# EAGLE board working (EAGLE 9.6.2), part 1 of 28
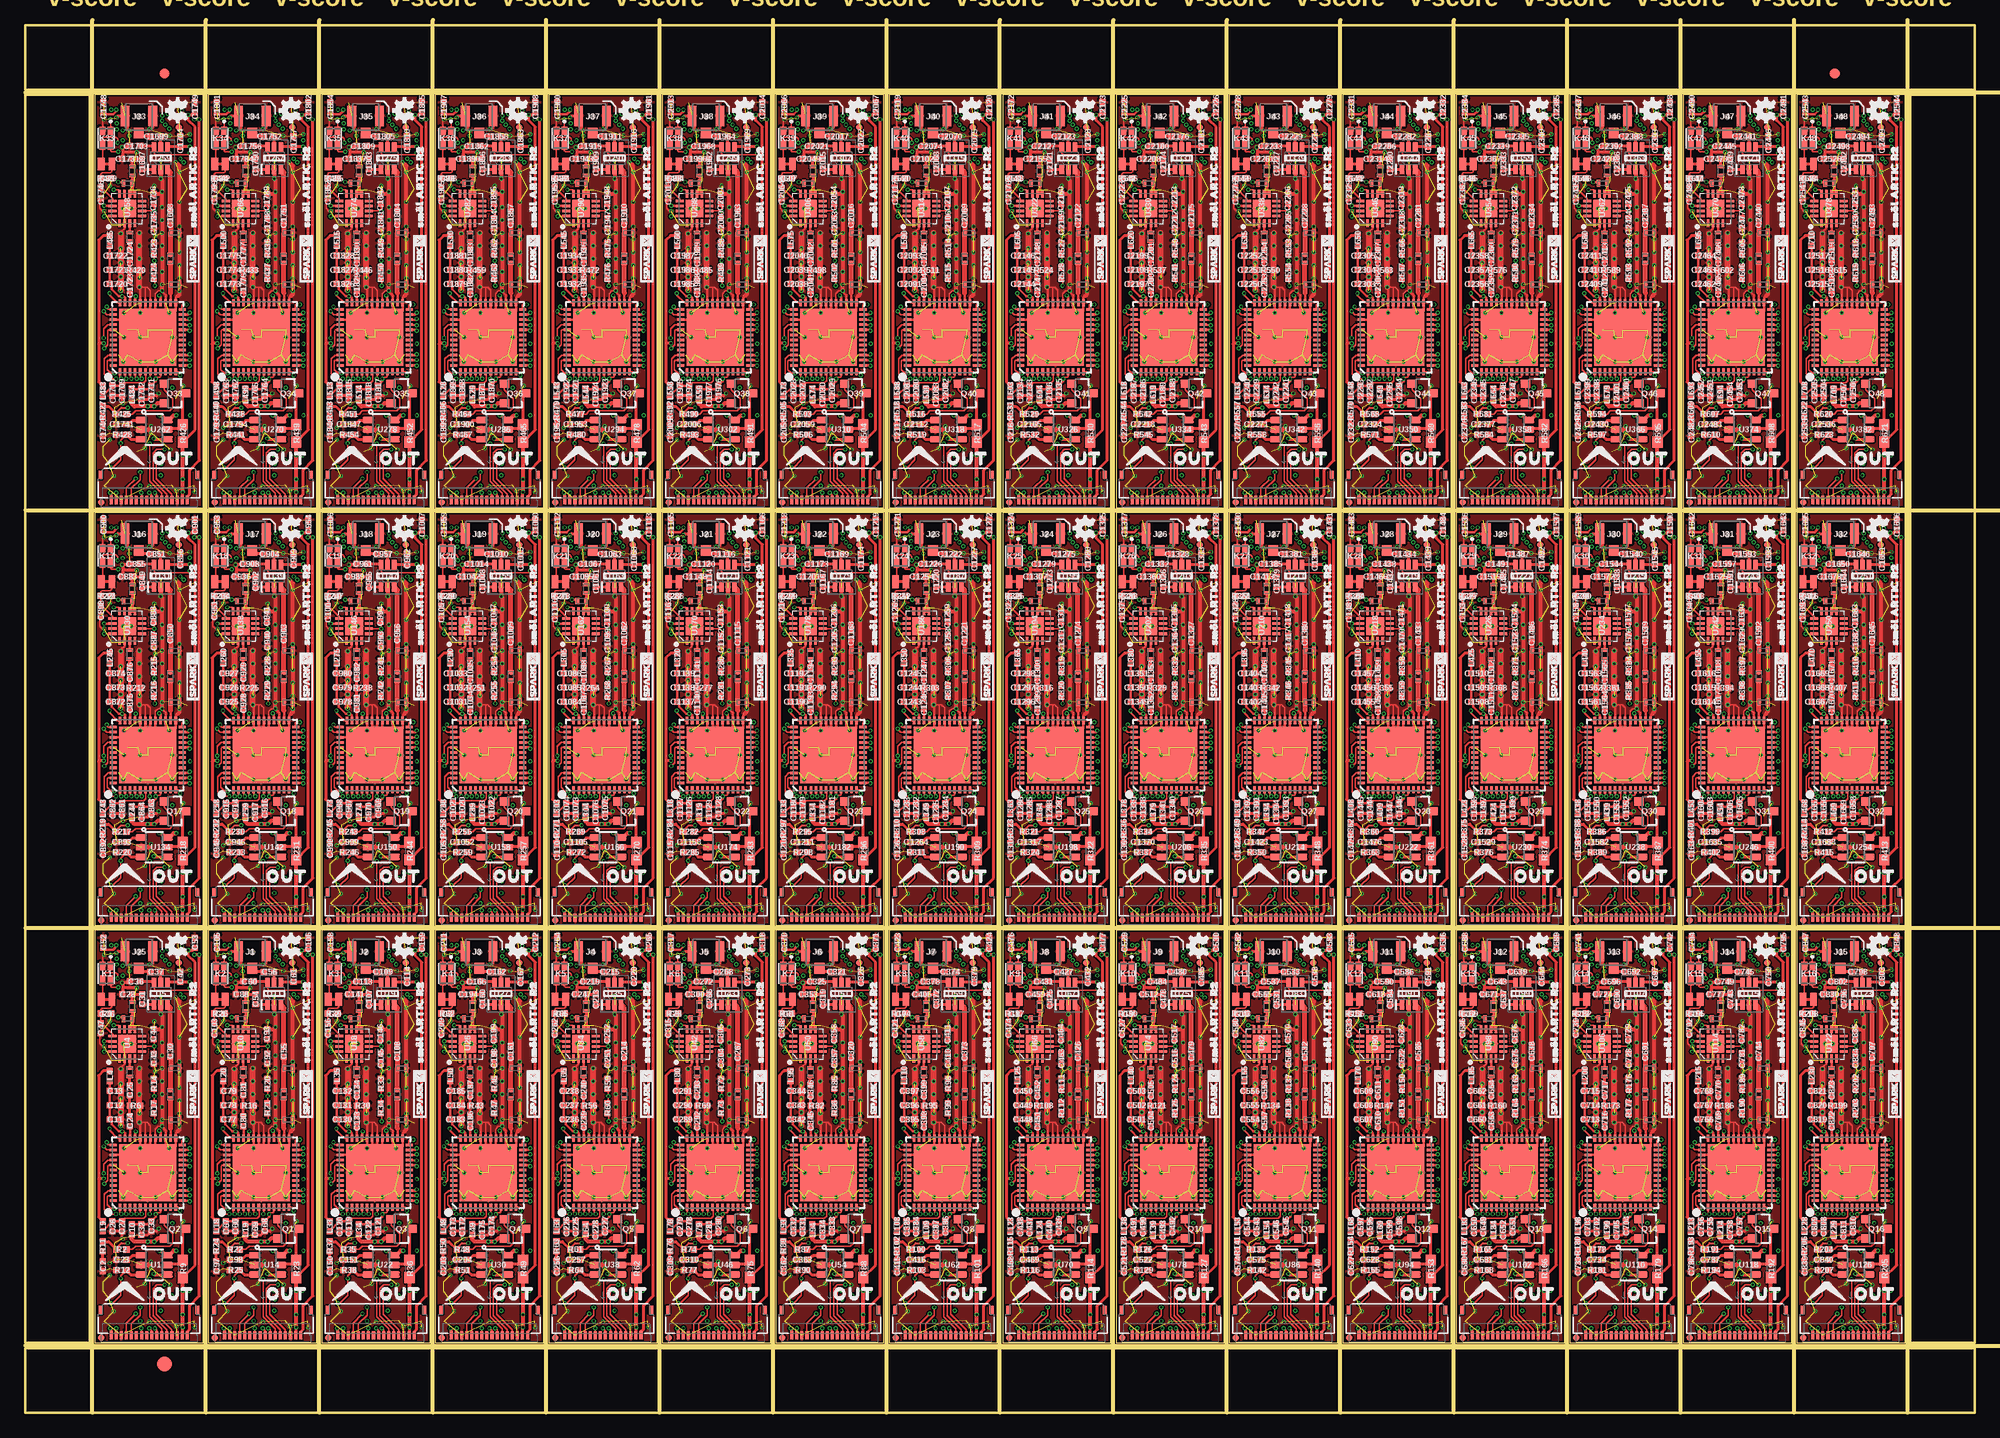
[diagram p0: board, top side]
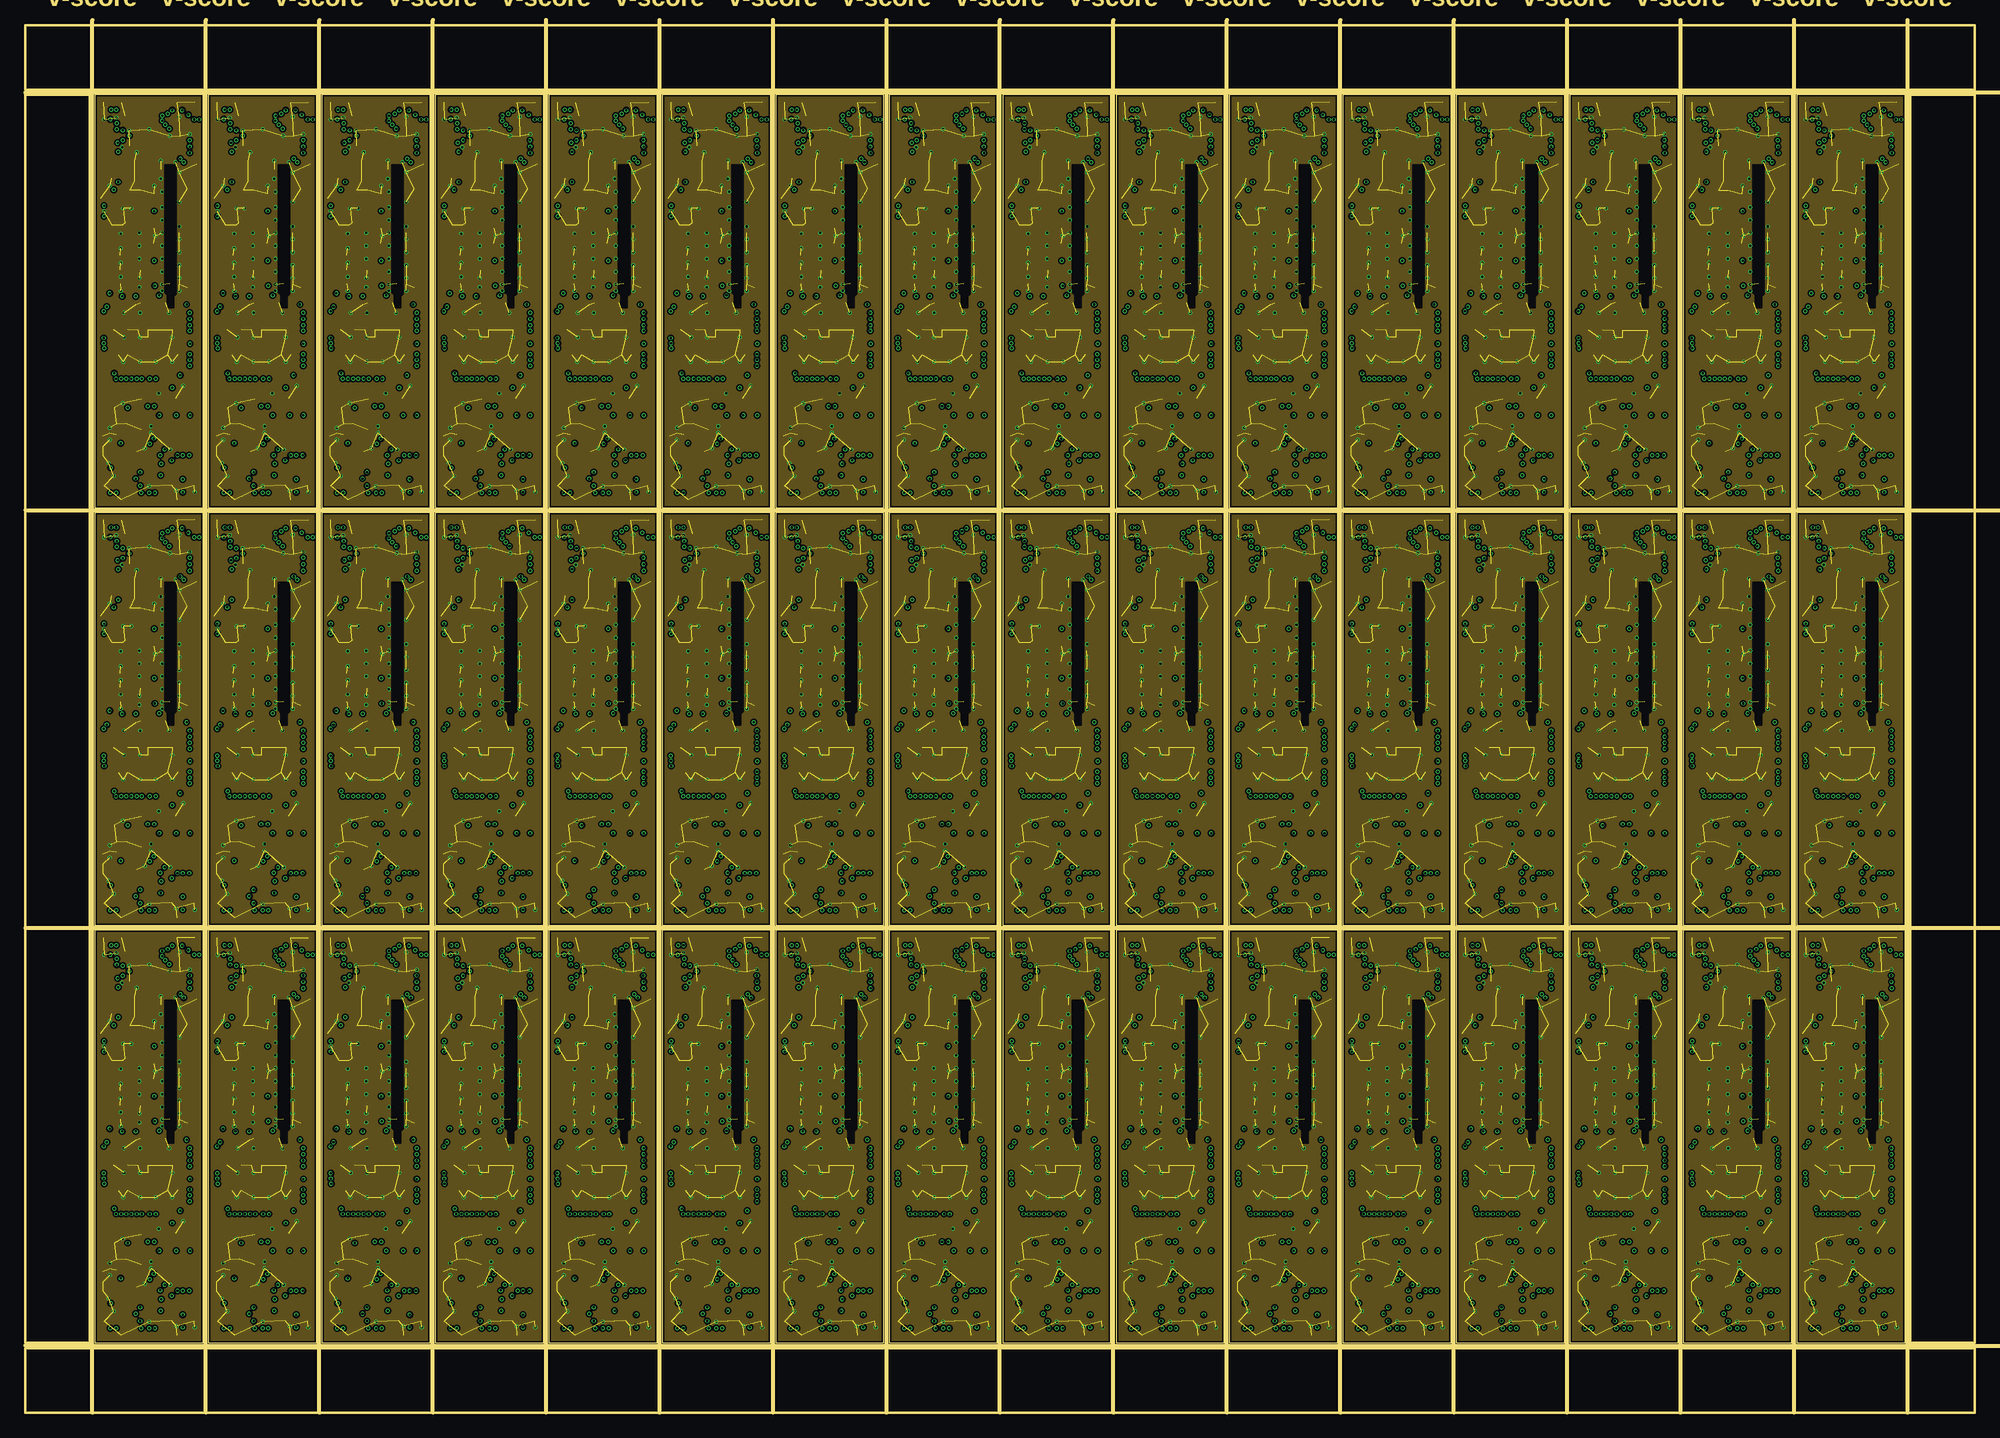
[diagram p1: board, inner layer Route2]
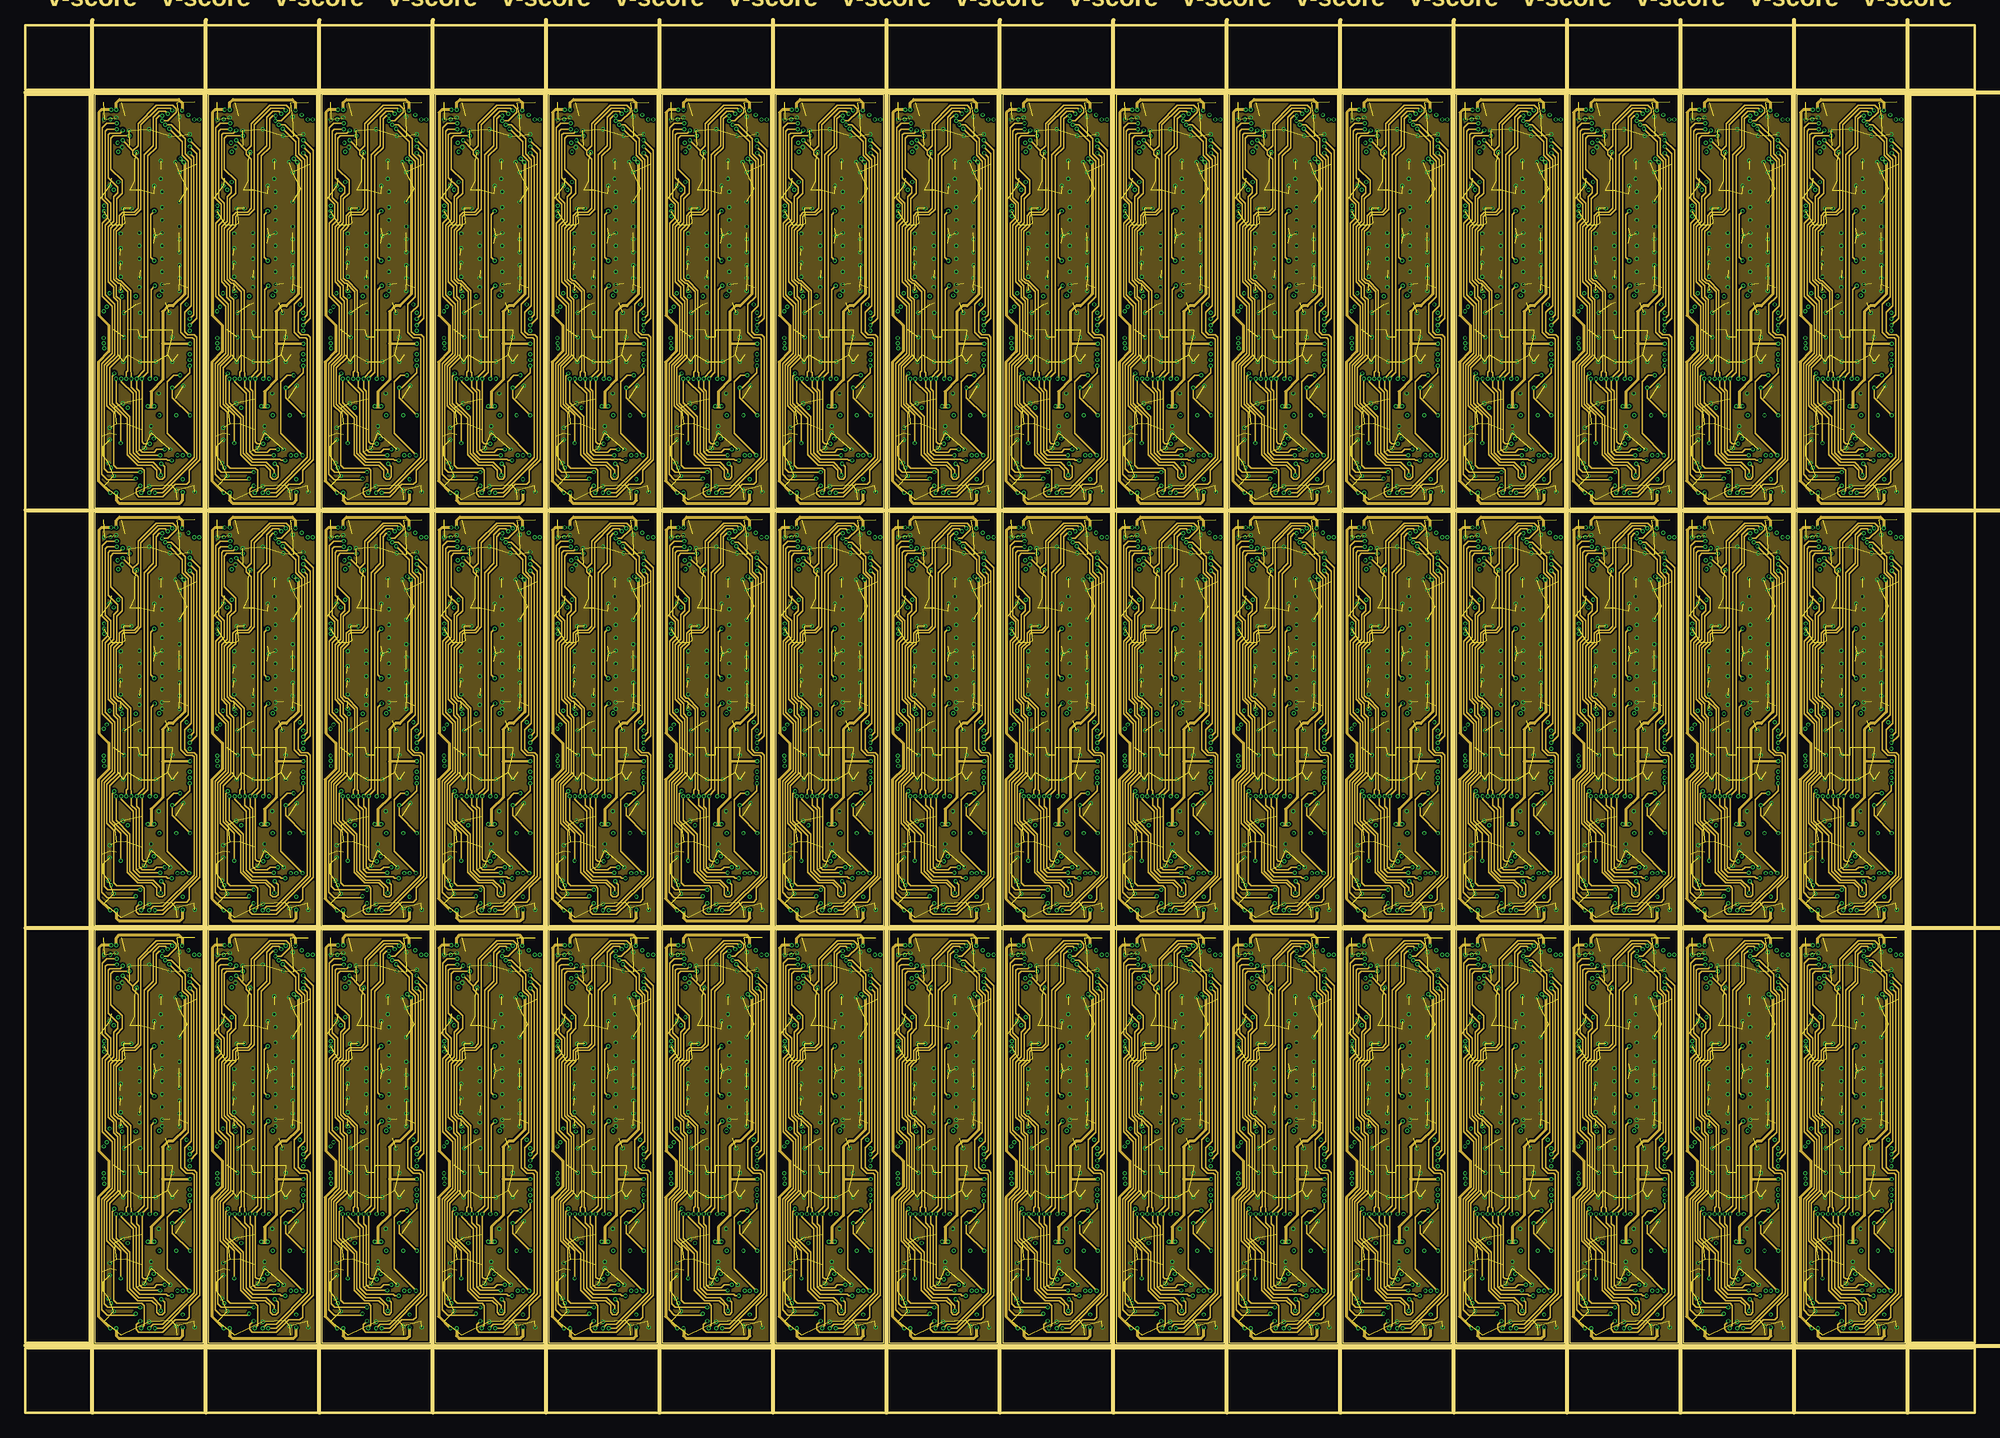
[diagram p2: board, inner layer Route15]
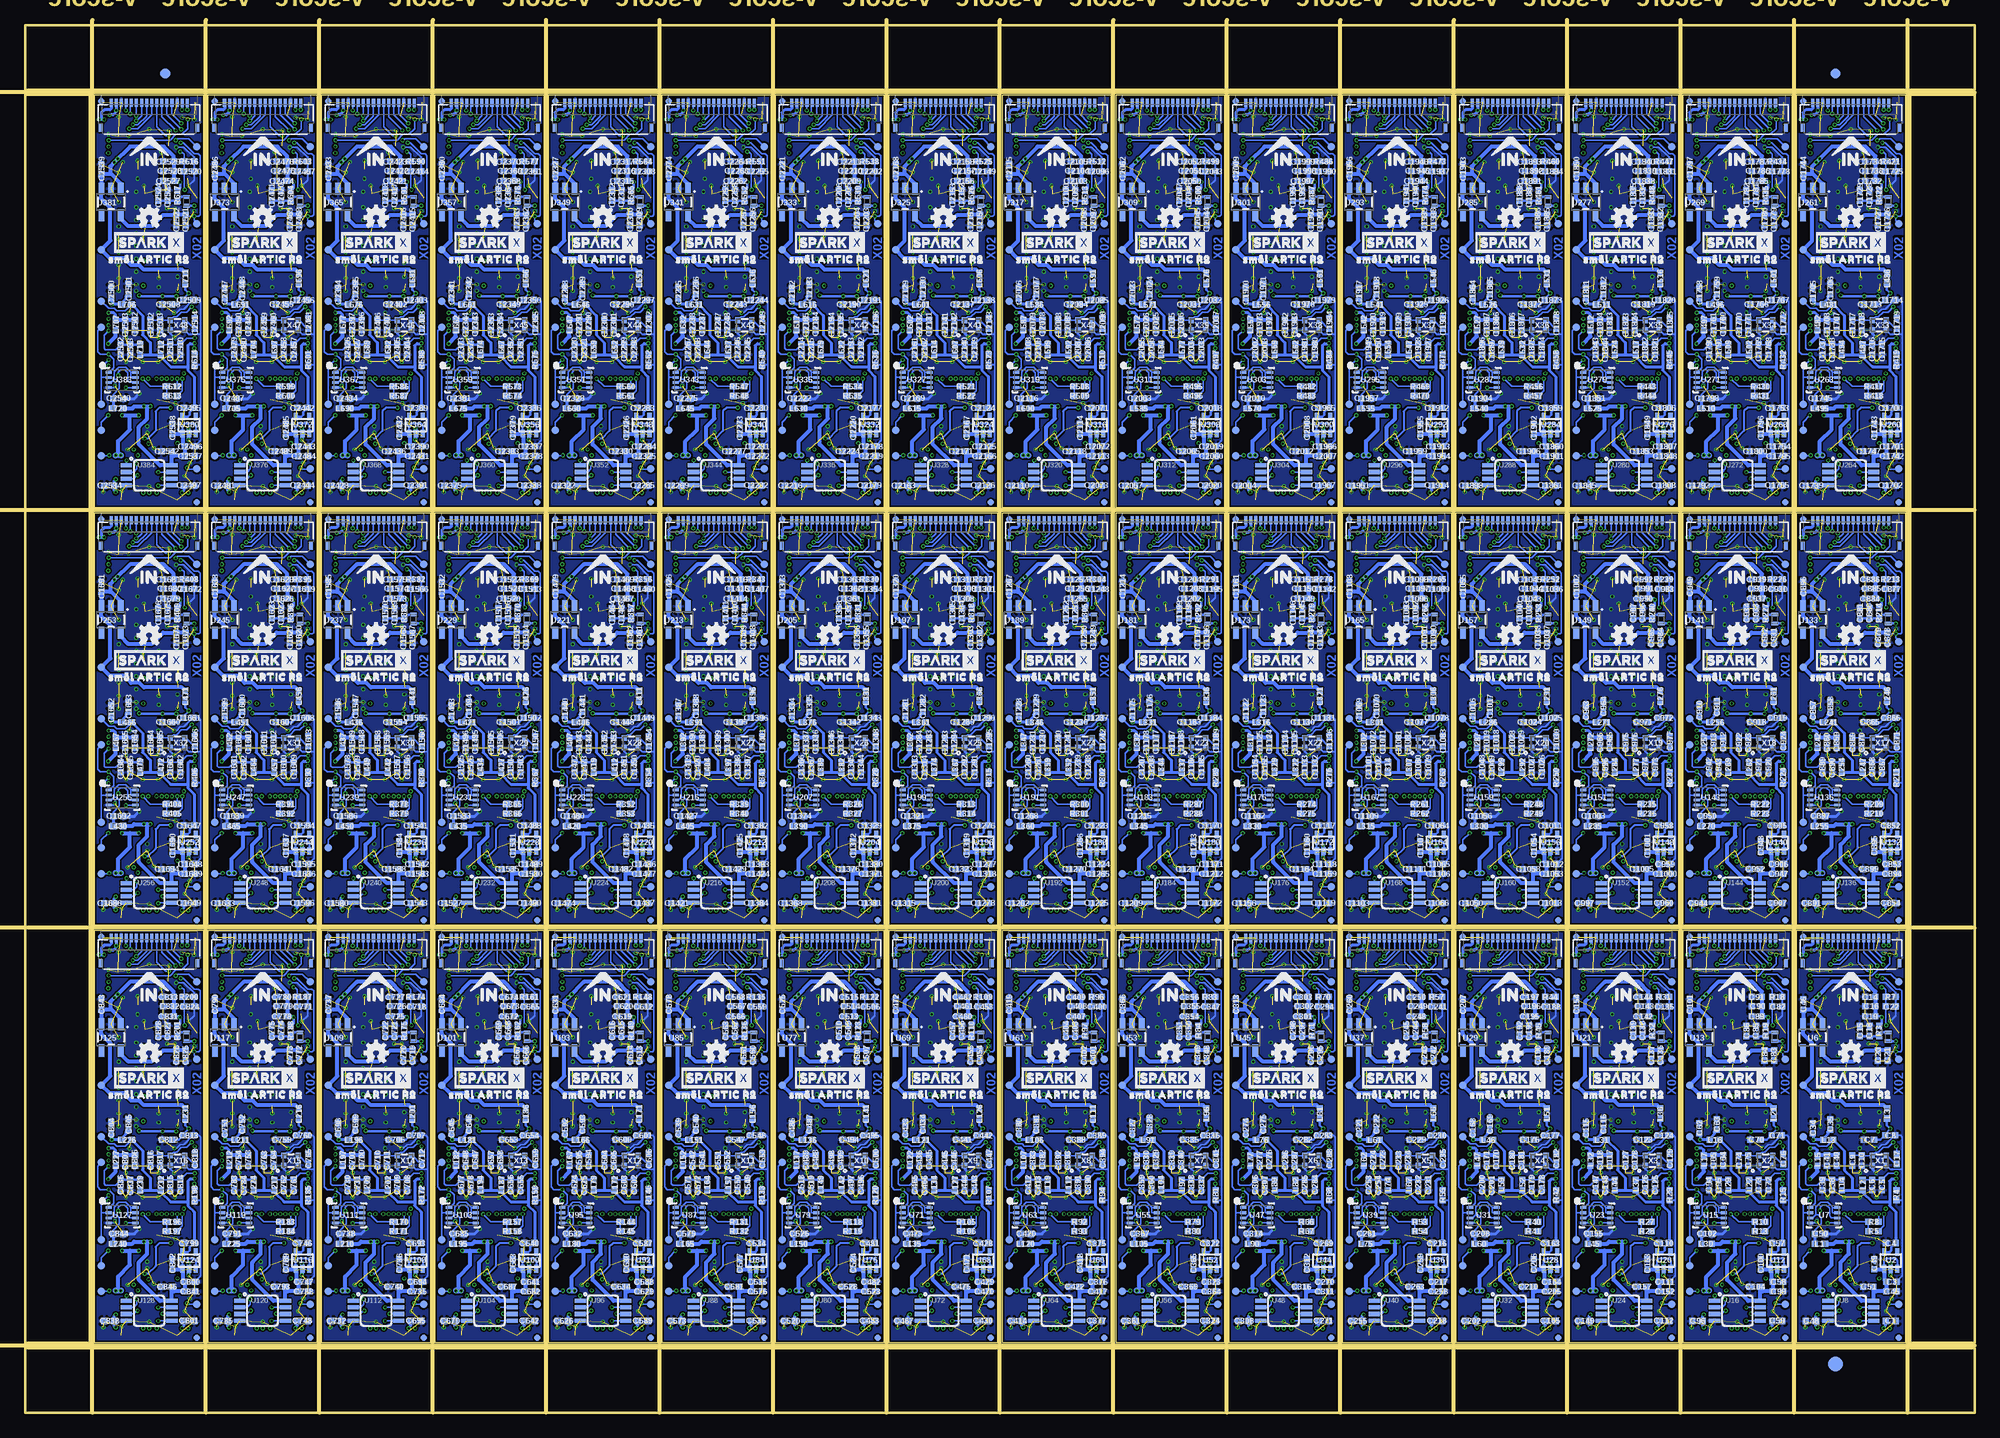
[diagram p3: board, bottom side, seen from below]

Size 192.02 x 136.65 mm. Coordinates in mm from the lower left corner, seen from the top.
Outline: 6.86,47.5 6.86,6.86 17.53,6.86 17.53,47.5 6.86,47.5
Outline: 18.03,47.5 18.03,6.86 28.7,6.86 28.7,47.5 18.03,47.5
Outline: 29.21,47.5 29.21,6.86 39.88,6.86 39.88,47.5 29.21,47.5
Outline: 40.39,47.5 40.39,6.86 51.05,6.86 51.05,47.5 40.39,47.5
Outline: 51.56,47.5 51.56,6.86 62.23,6.86 62.23,47.5 51.56,47.5
Outline: 62.74,47.5 62.74,6.86 73.41,6.86 73.41,47.5 62.74,47.5
Outline: 73.91,47.5 73.91,6.86 84.58,6.86 84.58,47.5 73.91,47.5
Outline: 85.09,47.5 85.09,6.86 95.76,6.86 95.76,47.5 85.09,47.5
Outline: 96.27,47.5 96.27,6.86 106.93,6.86 106.93,47.5 96.27,47.5
Outline: 107.44,47.5 107.44,6.86 118.11,6.86 118.11,47.5 107.44,47.5
Outline: 118.62,47.5 118.62,6.86 129.29,6.86 129.29,47.5 118.62,47.5
Outline: 129.79,47.5 129.79,6.86 140.46,6.86 140.46,47.5 129.79,47.5
Outline: 140.97,47.5 140.97,6.86 151.64,6.86 151.64,47.5 140.97,47.5
Outline: 152.15,47.5 152.15,6.86 162.81,6.86 162.81,47.5 152.15,47.5
Outline: 163.32,47.5 163.32,6.86 173.99,6.86 173.99,47.5 163.32,47.5
Outline: 174.5,47.5 174.5,6.86 185.17,6.86 185.17,47.5 174.5,47.5
Outline: 6.86,88.65 6.86,48.01 17.53,48.01 17.53,88.65 6.86,88.65
Outline: 18.03,88.65 18.03,48.01 28.7,48.01 28.7,88.65 18.03,88.65
Outline: 29.21,88.65 29.21,48.01 39.88,48.01 39.88,88.65 29.21,88.65
Outline: 40.39,88.65 40.39,48.01 51.05,48.01 51.05,88.65 40.39,88.65
Outline: 51.56,88.65 51.56,48.01 62.23,48.01 62.23,88.65 51.56,88.65
Outline: 62.74,88.65 62.74,48.01 73.41,48.01 73.41,88.65 62.74,88.65
Outline: 73.91,88.65 73.91,48.01 84.58,48.01 84.58,88.65 73.91,88.65
Outline: 85.09,88.65 85.09,48.01 95.76,48.01 95.76,88.65 85.09,88.65
Outline: 96.27,88.65 96.27,48.01 106.93,48.01 106.93,88.65 96.27,88.65
Outline: 107.44,88.65 107.44,48.01 118.11,48.01 118.11,88.65 107.44,88.65
Outline: 118.62,88.65 118.62,48.01 129.29,48.01 129.29,88.65 118.62,88.65
Outline: 129.79,88.65 129.79,48.01 140.46,48.01 140.46,88.65 129.79,88.65
Outline: 140.97,88.65 140.97,48.01 151.64,48.01 151.64,88.65 140.97,88.65
Outline: 152.15,88.65 152.15,48.01 162.81,48.01 162.81,88.65 152.15,88.65
Outline: 163.32,88.65 163.32,48.01 173.99,48.01 173.99,88.65 163.32,88.65
Outline: 174.5,88.65 174.5,48.01 185.17,48.01 185.17,88.65 174.5,88.65
Outline: 6.86,129.79 6.86,89.15 17.53,89.15 17.53,129.79 6.86,129.79
Outline: 18.03,129.79 18.03,89.15 28.7,89.15 28.7,129.79 18.03,129.79
Outline: 29.21,129.79 29.21,89.15 39.88,89.15 39.88,129.79 29.21,129.79
Outline: 40.39,129.79 40.39,89.15 51.05,89.15 51.05,129.79 40.39,129.79
Outline: 51.56,129.79 51.56,89.15 62.23,89.15 62.23,129.79 51.56,129.79
Outline: 62.74,129.79 62.74,89.15 73.41,89.15 73.41,129.79 62.74,129.79
Outline: 73.91,129.79 73.91,89.15 84.58,89.15 84.58,129.79 73.91,129.79
Outline: 85.09,129.79 85.09,89.15 95.76,89.15 95.76,129.79 85.09,129.79
Outline: 96.27,129.79 96.27,89.15 106.93,89.15 106.93,129.79 96.27,129.79
Outline: 107.44,129.79 107.44,89.15 118.11,89.15 118.11,129.79 107.44,129.79
Outline: 118.62,129.79 118.62,89.15 129.29,89.15 129.29,129.79 118.62,129.79
Outline: 129.79,129.79 129.79,89.15 140.46,89.15 140.46,129.79 129.79,129.79
Outline: 140.97,129.79 140.97,89.15 151.64,89.15 151.64,129.79 140.97,129.79
Outline: 152.15,129.79 152.15,89.15 162.81,89.15 162.81,129.79 152.15,129.79
Outline: 163.32,129.79 163.32,89.15 173.99,89.15 173.99,129.79 163.32,129.79
Outline: 174.5,129.79 174.5,89.15 185.17,89.15 185.17,129.79 174.5,129.79
Outline: 0,6.35 192.02,6.35 192.02,0 0,0 0,6.35
Outline: 185.67,129.79 192.02,129.79 192.02,6.86 185.67,6.86 185.67,129.79
Outline: 0,136.65 192.02,136.65 192.02,130.3 0,130.3 0,136.65
Outline: 0,129.79 6.35,129.79 6.35,6.86 0,6.86 0,129.79
Copper layers (1+2*15+16): Top 0.035mm / dielectric 0.2mm / Route2 0.0175mm / dielectric 0.265mm / Route15 0.0175mm / dielectric 0.2mm / Bottom 0.035mm
Design rules "SparkX_smol_ARTIC_R2": minimum track width 5mil, minimum drill 0.2mm, track to track 5mil, track to pad 5mil, pad to pad 5mil, via to via 5mil, smd to smd 0mil, copper to edge 5mil, drill to drill 5mil, minimum pad ring 3.5mil, minimum via ring 3.5mil, stop-mask expansion 2.5mil, vias tented up to drill 25mil, thermal gap 10mil
tRestrict: 144 lines
Milling: 21 lines

## Footprints (pad centres in the part's own frame; a part is rotated, then mirrored left to right if it is on the bottom)
PAD.03X.03 = smd 0.762 x 0.762: 1 0,0
0402-TIGHT = smd 0.6 x 0.6: 1 -0.5,0; 2 0.5,0
0402_MURATA = smd 0.4 x 0.6: P$1 -0.4,0; P$2 0.4,0
FIDUCIAL-1X2 = smd 1 x 1: 1 0,0
FIDUCIAL-1.5X3 = smd 1.5 x 1.5: 1 0,0
FIDUCIAL-MICRO = smd 0.635 x 0.635: 1 0,0
SMT-JUMPER_2_NC_TRACE_NO-SILK = smd 0.66 x 1.27: 1 -0.521,0; 2 0.521,0
FPC_16_0.5MM = smd 0.3 x 0.8: 1 -3.75,1.35; 2 -3.25,1.35; 3 -2.75,1.35; 4 -2.25,1.35; 5 -1.75,1.35; 6 -1.25,1.35; 7 -0.75,1.35; 8 -0.25,1.35; 9 0.25,1.35; 10 0.75,1.35; 11 1.25,1.35; 12 1.75,1.35; 13 2.25,1.35; 14 2.75,1.35; 15 3.25,1.35; 16 3.75,1.35 | smd 0.4 x 0.8: MP1 -4.75,-1.15; MP2 4.75,-1.15
U.FL_REDUCED_FOOTPRINT = smd 2 x 0.85: 1 -0.1,1.375; 2 -0.1,-1.375 | smd 1.05 x 1: FEED 1.575,0
TLP3475SRHA = smd 0.8 x 0.55: 1 -0.75,0.4; 2 -0.75,-0.4 | smd 1 x 0.55: 3 0.65,-0.4; 4 0.65,0.4
0402_COILCRAFT = smd 0.356 x 0.66: P$1 -0.432,0; P$2 0.432,0
SOT23-3 = smd 0.8 x 0.9: 1 -0.95,-1; 2 0.95,-1; 3 0,1.1
0603 = smd 1.1 x 1: 1 -0.85,0; 2 0.85,0
TSOT6 = smd 0.6 x 1.05: 1 -0.95,-1.3; 2 0,-1.3; 3 0.95,-1.3; 4 0.95,1.3; 5 0,1.3; 6 -0.95,1.3
SC70 = smd 0.4 x 0.75: 1 -0.65,-0.825; 2 0,-0.825; 3 0.65,-0.825; 4 0.65,0.825; 5 -0.65,0.825
QFN-48 = smd 0.7 x 0.25: 1 -3.4,2.75; 2 -3.4,2.25; 3 -3.4,1.75; 4 -3.4,1.25; 5 -3.4,0.75; 6 -3.4,0.25; 7 -3.4,-0.25; 8 -3.4,-0.75; 9 -3.4,-1.25; 10 -3.4,-1.75; 11 -3.4,-2.25; 12 -3.4,-2.75; 25 3.4,-2.75; 26 3.4,-2.25; 27 3.4,-1.75; 28 3.4,-1.25; 29 3.4,-0.75; 30 3.4,-0.25; 31 3.4,0.25; 32 3.4,0.75; 33 3.4,1.25; 34 3.4,1.75; 35 3.4,2.25; 36 3.4,2.75 | smd 0.25 x 0.7: 13 -2.75,-3.4; 14 -2.25,-3.4; 15 -1.75,-3.4; 16 -1.25,-3.4; 17 -0.75,-3.4; 18 -0.25,-3.4; 19 0.25,-3.4; 20 0.75,-3.4; 21 1.25,-3.4; 22 1.75,-3.4; 23 2.25,-3.4; 24 2.75,-3.4; 37 2.75,3.4; 38 2.25,3.4; 39 1.75,3.4; 40 1.25,3.4; 41 0.75,3.4; 42 0.25,3.4; 43 -0.25,3.4; 44 -0.75,3.4; 45 -1.25,3.4; 46 -1.75,3.4; 47 -2.25,3.4; 48 -2.75,3.4 | smd 5.6 x 5.6: GND 0,0
QFN50P300X300X86-17N = smd 0.8 x 0.25: 1 -1.45,0.75; 2 -1.45,0.25; 3 -1.45,-0.25; 4 -1.45,-0.75; 9 1.45,-0.75; 10 1.45,-0.25; 11 1.45,0.25; 12 1.45,0.75 | smd 0.25 x 0.8: 5 -0.75,-1.45; 6 -0.25,-1.45; 7 0.25,-1.45; 8 0.75,-1.45; 13 0.75,1.45; 14 0.25,1.45; 15 -0.25,1.45; 16 -0.75,1.45 | smd 1.75 x 1.75: EDAP 0,0
SOT65P220X100-6N = smd 0.95 x 0.45: 1 -1.1,0.65; 2 -1.1,0; 3 -1.1,-0.65; 4 1.1,-0.65; 5 1.1,0; 6 1.1,0.65
SOT23-5 = smd 0.55 x 1.2: 1 -0.95,-1.3; 2 0,-1.3; 3 0.95,-1.3; 4 0.95,1.3; 5 -0.95,1.3
USON_3X2MM = smd 0.6 x 0.25: 1 -1.325,0.75; 2 -1.325,0.25; 3 -1.325,-0.25; 4 -1.325,-0.75; 5 1.325,-0.75; 6 1.325,-0.25; 7 1.325,0.25; 8 1.325,0.75
MSOP8 = smd 1.1 x 0.4: 1 -2.25,0.975; 2 -2.25,0.325; 3 -2.25,-0.325; 4 -2.25,-0.975; 5 2.25,-0.975; 6 2.25,-0.325; 7 2.25,0.325; 8 2.25,0.975
CRYSTAL-TCXO-SMD-1.65X1.25 = smd 0.5 x 0.55: 1 -0.7,-0.475; 2 0.7,-0.475; 3 0.7,0.475; 4 -0.7,0.475

## Placement (x,y rotation side)
1V1  TEST-POINT3  [PAD.03X.03]  28.07,27.18 0 bottom
1V2  TEST-POINT3  [PAD.03X.03]  39.24,27.18 0 bottom
1V3  TEST-POINT3  [PAD.03X.03]  50.42,27.18 0 bottom
1V4  TEST-POINT3  [PAD.03X.03]  61.59,27.18 0 bottom
1V5  TEST-POINT3  [PAD.03X.03]  72.77,27.18 0 bottom
1V6  TEST-POINT3  [PAD.03X.03]  83.95,27.18 0 bottom
1V7  TEST-POINT3  [PAD.03X.03]  95.12,27.18 0 bottom
1V8  TEST-POINT3  [PAD.03X.03]  16.89,27.18 0 bottom
1V9  TEST-POINT3  [PAD.03X.03]  106.3,27.18 0 bottom
1V10  TEST-POINT3  [PAD.03X.03]  117.48,27.18 0 bottom
1V11  TEST-POINT3  [PAD.03X.03]  128.65,27.18 0 bottom
1V12  TEST-POINT3  [PAD.03X.03]  139.83,27.18 0 bottom
1V13  TEST-POINT3  [PAD.03X.03]  151,27.18 0 bottom
1V14  TEST-POINT3  [PAD.03X.03]  162.18,27.18 0 bottom
1V15  TEST-POINT3  [PAD.03X.03]  173.36,27.18 0 bottom
1V16  TEST-POINT3  [PAD.03X.03]  184.53,27.18 0 bottom
1V17  TEST-POINT3  [PAD.03X.03]  16.89,68.33 0 bottom
1V18  TEST-POINT3  [PAD.03X.03]  28.07,68.33 0 bottom
1V19  TEST-POINT3  [PAD.03X.03]  39.24,68.33 0 bottom
1V20  TEST-POINT3  [PAD.03X.03]  50.42,68.33 0 bottom
1V21  TEST-POINT3  [PAD.03X.03]  61.59,68.33 0 bottom
1V22  TEST-POINT3  [PAD.03X.03]  72.77,68.33 0 bottom
1V23  TEST-POINT3  [PAD.03X.03]  83.95,68.33 0 bottom
1V24  TEST-POINT3  [PAD.03X.03]  95.12,68.33 0 bottom
1V25  TEST-POINT3  [PAD.03X.03]  106.3,68.33 0 bottom
1V26  TEST-POINT3  [PAD.03X.03]  117.48,68.33 0 bottom
1V27  TEST-POINT3  [PAD.03X.03]  128.65,68.33 0 bottom
1V28  TEST-POINT3  [PAD.03X.03]  139.83,68.33 0 bottom
1V29  TEST-POINT3  [PAD.03X.03]  151,68.33 0 bottom
1V30  TEST-POINT3  [PAD.03X.03]  162.18,68.33 0 bottom
1V31  TEST-POINT3  [PAD.03X.03]  173.36,68.33 0 bottom
1V32  TEST-POINT3  [PAD.03X.03]  184.53,68.33 0 bottom
1V33  TEST-POINT3  [PAD.03X.03]  16.89,109.47 0 bottom
1V34  TEST-POINT3  [PAD.03X.03]  28.07,109.47 0 bottom
1V35  TEST-POINT3  [PAD.03X.03]  39.24,109.47 0 bottom
1V36  TEST-POINT3  [PAD.03X.03]  50.42,109.47 0 bottom
1V37  TEST-POINT3  [PAD.03X.03]  61.59,109.47 0 bottom
1V38  TEST-POINT3  [PAD.03X.03]  72.77,109.47 0 bottom
1V39  TEST-POINT3  [PAD.03X.03]  83.95,109.47 0 bottom
1V40  TEST-POINT3  [PAD.03X.03]  95.12,109.47 0 bottom
1V41  TEST-POINT3  [PAD.03X.03]  106.3,109.47 0 bottom
1V42  TEST-POINT3  [PAD.03X.03]  117.48,109.47 0 bottom
1V43  TEST-POINT3  [PAD.03X.03]  128.65,109.47 0 bottom
1V44  TEST-POINT3  [PAD.03X.03]  139.83,109.47 0 bottom
1V45  TEST-POINT3  [PAD.03X.03]  151,109.47 0 bottom
1V46  TEST-POINT3  [PAD.03X.03]  162.18,109.47 0 bottom
1V47  TEST-POINT3  [PAD.03X.03]  173.36,109.47 0 bottom
1V48  TEST-POINT3  [PAD.03X.03]  184.53,109.47 0 bottom
3V0  TEST-POINT3  [PAD.03X.03]  7.49,34.8 0 bottom
3V1  TEST-POINT3  [PAD.03X.03]  18.67,34.8 0 bottom
3V2  TEST-POINT3  [PAD.03X.03]  29.84,34.8 0 bottom
3V3  TEST-POINT3  [PAD.03X.03]  41.02,34.8 0 bottom
3V4  TEST-POINT3  [PAD.03X.03]  52.2,34.8 0 bottom
3V5  TEST-POINT3  [PAD.03X.03]  63.37,34.8 0 bottom
3V6  TEST-POINT3  [PAD.03X.03]  74.55,34.8 0 bottom
3V7  TEST-POINT3  [PAD.03X.03]  85.73,34.8 0 bottom
3V8  TEST-POINT3  [PAD.03X.03]  96.9,34.8 0 bottom
3V9  TEST-POINT3  [PAD.03X.03]  108.08,34.8 0 bottom
3V10  TEST-POINT3  [PAD.03X.03]  119.25,34.8 0 bottom
3V11  TEST-POINT3  [PAD.03X.03]  130.43,34.8 0 bottom
3V12  TEST-POINT3  [PAD.03X.03]  141.61,34.8 0 bottom
3V13  TEST-POINT3  [PAD.03X.03]  152.78,34.8 0 bottom
3V14  TEST-POINT3  [PAD.03X.03]  163.96,34.8 0 bottom
3V15  TEST-POINT3  [PAD.03X.03]  175.13,34.8 0 bottom
3V16  TEST-POINT3  [PAD.03X.03]  7.49,75.95 0 bottom
3V17  TEST-POINT3  [PAD.03X.03]  18.67,75.95 0 bottom
3V18  TEST-POINT3  [PAD.03X.03]  29.84,75.95 0 bottom
3V19  TEST-POINT3  [PAD.03X.03]  41.02,75.95 0 bottom
3V20  TEST-POINT3  [PAD.03X.03]  52.2,75.95 0 bottom
3V21  TEST-POINT3  [PAD.03X.03]  63.37,75.95 0 bottom
3V22  TEST-POINT3  [PAD.03X.03]  74.55,75.95 0 bottom
3V23  TEST-POINT3  [PAD.03X.03]  85.73,75.95 0 bottom
3V24  TEST-POINT3  [PAD.03X.03]  96.9,75.95 0 bottom
3V25  TEST-POINT3  [PAD.03X.03]  108.08,75.95 0 bottom
3V26  TEST-POINT3  [PAD.03X.03]  119.25,75.95 0 bottom
3V27  TEST-POINT3  [PAD.03X.03]  130.43,75.95 0 bottom
3V28  TEST-POINT3  [PAD.03X.03]  141.61,75.95 0 bottom
3V29  TEST-POINT3  [PAD.03X.03]  152.78,75.95 0 bottom
3V30  TEST-POINT3  [PAD.03X.03]  163.96,75.95 0 bottom
3V31  TEST-POINT3  [PAD.03X.03]  175.13,75.95 0 bottom
3V32  TEST-POINT3  [PAD.03X.03]  7.49,117.09 0 bottom
3V33  TEST-POINT3  [PAD.03X.03]  18.67,117.09 0 bottom
3V34  TEST-POINT3  [PAD.03X.03]  29.84,117.09 0 bottom
3V35  TEST-POINT3  [PAD.03X.03]  41.02,117.09 0 bottom
3V36  TEST-POINT3  [PAD.03X.03]  52.2,117.09 0 bottom
3V37  TEST-POINT3  [PAD.03X.03]  63.37,117.09 0 bottom
3V38  TEST-POINT3  [PAD.03X.03]  74.55,117.09 0 bottom
3V39  TEST-POINT3  [PAD.03X.03]  85.73,117.09 0 bottom
3V40  TEST-POINT3  [PAD.03X.03]  96.9,117.09 0 bottom
3V41  TEST-POINT3  [PAD.03X.03]  108.08,117.09 0 bottom
3V42  TEST-POINT3  [PAD.03X.03]  119.25,117.09 0 bottom
3V43  TEST-POINT3  [PAD.03X.03]  130.43,117.09 0 bottom
3V44  TEST-POINT3  [PAD.03X.03]  141.61,117.09 0 bottom
3V45  TEST-POINT3  [PAD.03X.03]  152.78,117.09 0 bottom
3V46  TEST-POINT3  [PAD.03X.03]  163.96,117.09 0 bottom
3V47  TEST-POINT3  [PAD.03X.03]  175.13,117.09 0 bottom
C1  2.2uF  [0402-TIGHT]  8.25,9.02 0 bottom
C2  10nF  [0402-TIGHT]  7.62,14.41 270 top
C3  1.0uF  [0402-TIGHT]  8.19,12.89 0 bottom
C4  1.0uF  [0402-TIGHT]  8.25,16.7 180 bottom
C5  22pF  [0402-TIGHT]  9.14,22.42 270 bottom
C6  0.1uF  [0402-TIGHT]  10.1,22.42 270 bottom
C7  22pF  [0402-TIGHT]  10.41,26.86 180 bottom
C8  0.1uF  [0402-TIGHT]  8.32,27.3 0 bottom
C9  1.0uF  [0402-TIGHT]  12.06,24.83 270 bottom
C10  47nF  [0402-TIGHT]  11.11,24.83 270 bottom
C11  100pF  [0402-TIGHT]  8.83,28.89 0 top
C12  1.0uF  [0402-TIGHT]  8.83,30.29 0 top
C13  10uF  [0402-TIGHT]  8.83,31.69 0 top
C14  10uF  [0402-TIGHT]  10.29,40.96 180 bottom
C15  2.2uF  [0402-TIGHT]  11.3,37.59 90 bottom
C16  2.2uF  [0402-TIGHT]  10.29,40 180 bottom
C17  1.0nF  [0402-TIGHT]  7.68,24.98 90 bottom
C18  22pF  [0402-TIGHT]  10.35,37.59 90 bottom
C19  100pF  [0402-TIGHT]  10.29,39.05 180 bottom
C20  2.2uF  [0402-TIGHT]  9.52,35.18 90 bottom
C21  100pF  [0402-TIGHT]  8.57,35.18 90 bottom
C22  100pF  [0402-TIGHT]  8.25,40 180 bottom
C23  1.0uF  [0402-TIGHT]  9.46,15.05 180 top
C24  100pF  [0402-TIGHT]  10.29,28.7 90 top
C25  100pF  [0402-TIGHT]  10.29,31.75 90 top
C26  0.1uF  [0402-TIGHT]  8.57,18.35 270 top
C27  22pF  [0402-TIGHT]  9.52,18.35 270 top
C28  9.1pF  [0402-TIGHT]  10.03,41.21 0 top
C29  2.4 pF  [0402_MURATA]  14.29,31.37 90 top
C30  100pF  [0402-TIGHT]  14.29,35.56 270 top
C31  100pF  [0402-TIGHT]  11.49,40.7 90 top
C32  0.1uF  [0402-TIGHT]  11.43,18.03 270 top
C33  22pF  [0402-TIGHT]  12.38,18.35 270 top
C34  22pF  [0402-TIGHT]  15.94,28 90 bottom
C35  0.1uF  [0402-TIGHT]  14.22,28.38 90 bottom
C36  100pF  [0402-TIGHT]  10.79,42.48 180 top
C37  100pF  [0402-TIGHT]  12.83,43.43 0 top
C38  0.1uF  [0402-TIGHT]  14.03,22.42 270 bottom
C39  22pF  [0402-TIGHT]  14.99,22.42 270 bottom
C40  22pF  [0402-TIGHT]  13.59,24.83 270 bottom
C41  0.1uF  [0402-TIGHT]  14.54,24.83 270 bottom
C42  100pF  [0402-TIGHT]  15.24,42.93 90 top
C43  100pF  [0402-TIGHT]  12.64,34.86 90 top
C44  2.2uF  [0402-TIGHT]  12.64,37.27 90 top
C45  2.2uF  [0402-TIGHT]  8.19,11.94 0 bottom
C46  1.0uF  [0402-TIGHT]  16.89,40.2 90 bottom
C47  100pF  [0402-TIGHT]  7.43,37.85 90 top
C48  2.2uF  [0402-TIGHT]  16.13,9.02 180 bottom
C49  0.1uF  [0402-TIGHT]  9.91,14.61 90 bottom
C50  0.1uF  [0402-TIGHT]  15.24,17.59 0 bottom
C51  0.1uF  [0402-TIGHT]  10.48,12.38 180 bottom
C52  2.2uF  [0402-TIGHT]  7.68,46.29 90 top
C53  2.2uF  [0402-TIGHT]  16.7,46.29 90 top
C54  100pF  [0402-TIGHT]  22.67,40.7 90 top
C55  100pF  [0402-TIGHT]  25.46,35.56 270 top
C56  100pF  [0402-TIGHT]  24,43.43 0 top
C57  1.0uF  [0402-TIGHT]  19.43,16.7 180 bottom
C58  1.0uF  [0402-TIGHT]  19.37,12.89 0 bottom
C59  2.2uF  [0402-TIGHT]  19.43,9.02 0 bottom
C60  100pF  [0402-TIGHT]  21.97,42.48 180 top
C61  100pF  [0402-TIGHT]  26.42,42.93 90 top
C62  22pF  [0402-TIGHT]  27.11,28 90 bottom
C63  0.1uF  [0402-TIGHT]  25.4,28.38 90 bottom
C64  22pF  [0402-TIGHT]  24.77,24.83 270 bottom
C65  0.1uF  [0402-TIGHT]  25.72,24.83 270 bottom
C66  22pF  [0402-TIGHT]  20.7,18.35 270 top
C67  0.1uF  [0402-TIGHT]  19.75,18.35 270 top
C68  22pF  [0402-TIGHT]  23.56,18.35 270 top
C69  0.1uF  [0402-TIGHT]  22.61,18.03 270 top
C70  22pF  [0402-TIGHT]  21.59,26.86 180 bottom
C71  0.1uF  [0402-TIGHT]  19.49,27.3 0 bottom
C72  22pF  [0402-TIGHT]  20.32,22.42 270 bottom
C73  0.1uF  [0402-TIGHT]  21.27,22.42 270 bottom
C74  1.0uF  [0402-TIGHT]  23.24,24.83 270 bottom
C75  47nF  [0402-TIGHT]  22.29,24.83 270 bottom
C76  1.0nF  [0402-TIGHT]  18.86,24.98 90 bottom
C77  100pF  [0402-TIGHT]  20,28.89 0 top
C78  1.0uF  [0402-TIGHT]  20,30.29 0 top
C79  10uF  [0402-TIGHT]  20,31.69 0 top
C80  100pF  [0402-TIGHT]  21.46,28.7 90 top
C81  100pF  [0402-TIGHT]  21.46,31.75 90 top
C82  100pF  [0402-TIGHT]  19.43,40 180 bottom
C83  100pF  [0402-TIGHT]  19.75,35.18 90 bottom
C84  2.2uF  [0402-TIGHT]  20.7,35.18 90 bottom
C85  22pF  [0402-TIGHT]  21.53,37.59 90 bottom
C86  2.2uF  [0402-TIGHT]  22.48,37.59 90 bottom
C87  2.4 pF  [0402_MURATA]  25.46,31.37 90 top
C88  9.1pF  [0402-TIGHT]  21.21,41.21 0 top
C89  100pF  [0402-TIGHT]  21.46,39.05 180 bottom
C90  2.2uF  [0402-TIGHT]  21.46,40 180 bottom
C91  10uF  [0402-TIGHT]  21.46,40.96 180 bottom
C92  100pF  [0402-TIGHT]  23.81,34.86 90 top
C93  2.2uF  [0402-TIGHT]  23.81,37.27 90 top
C94  22pF  [0402-TIGHT]  26.16,22.42 270 bottom
C95  0.1uF  [0402-TIGHT]  25.21,22.42 270 bottom
C96  2.2uF  [0402-TIGHT]  27.3,9.02 180 bottom
C97  10nF  [0402-TIGHT]  18.8,14.41 270 top
C98  1.0uF  [0402-TIGHT]  20.64,15.05 180 top
C99  2.2uF  [0402-TIGHT]  19.37,11.94 0 bottom
C100  0.1uF  [0402-TIGHT]  21.08,14.61 90 bottom
C101  1.0uF  [0402-TIGHT]  28.07,40.2 90 bottom
C102  0.1uF  [0402-TIGHT]  26.42,17.59 0 bottom
C103  100pF  [0402-TIGHT]  18.61,37.85 90 top
C104  0.1uF  [0402-TIGHT]  21.65,12.38 180 bottom
C105  2.2uF  [0402-TIGHT]  18.86,46.29 90 top
C106  2.2uF  [0402-TIGHT]  27.88,46.29 90 top